# KiCad board choc-v2.kicad_pcb
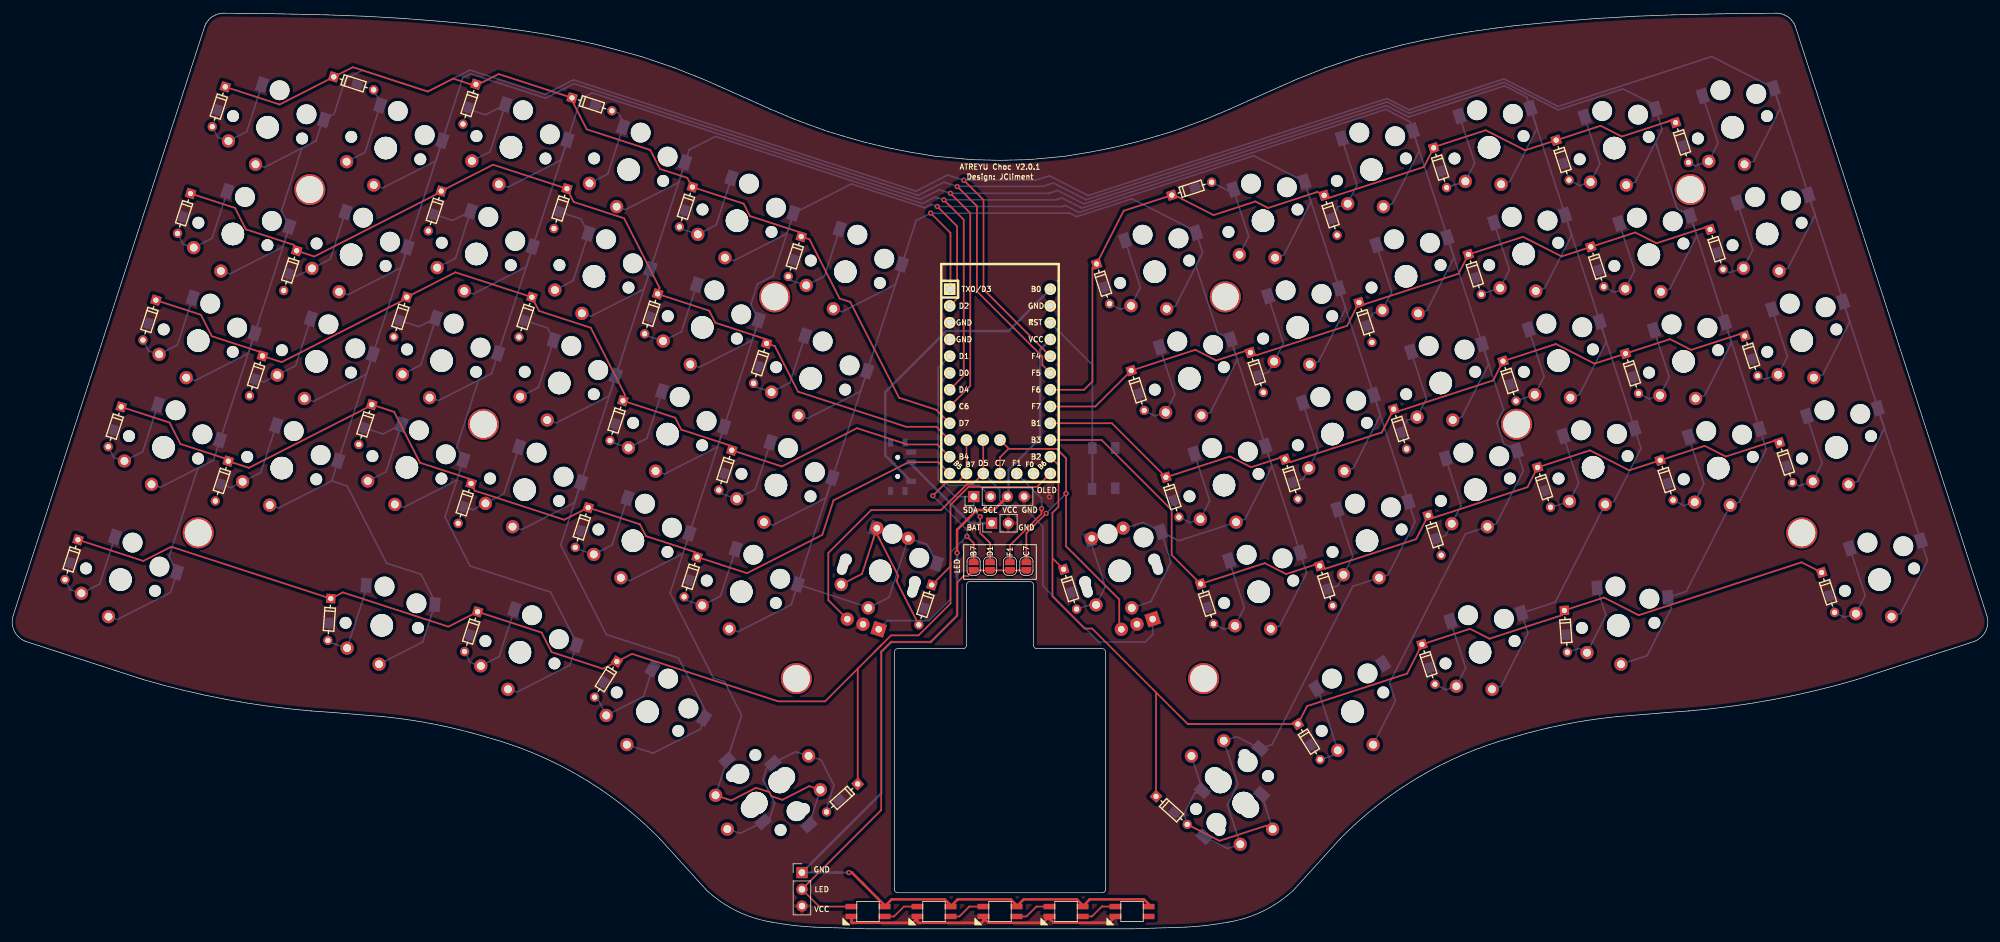
[diagram p0: board, top side]
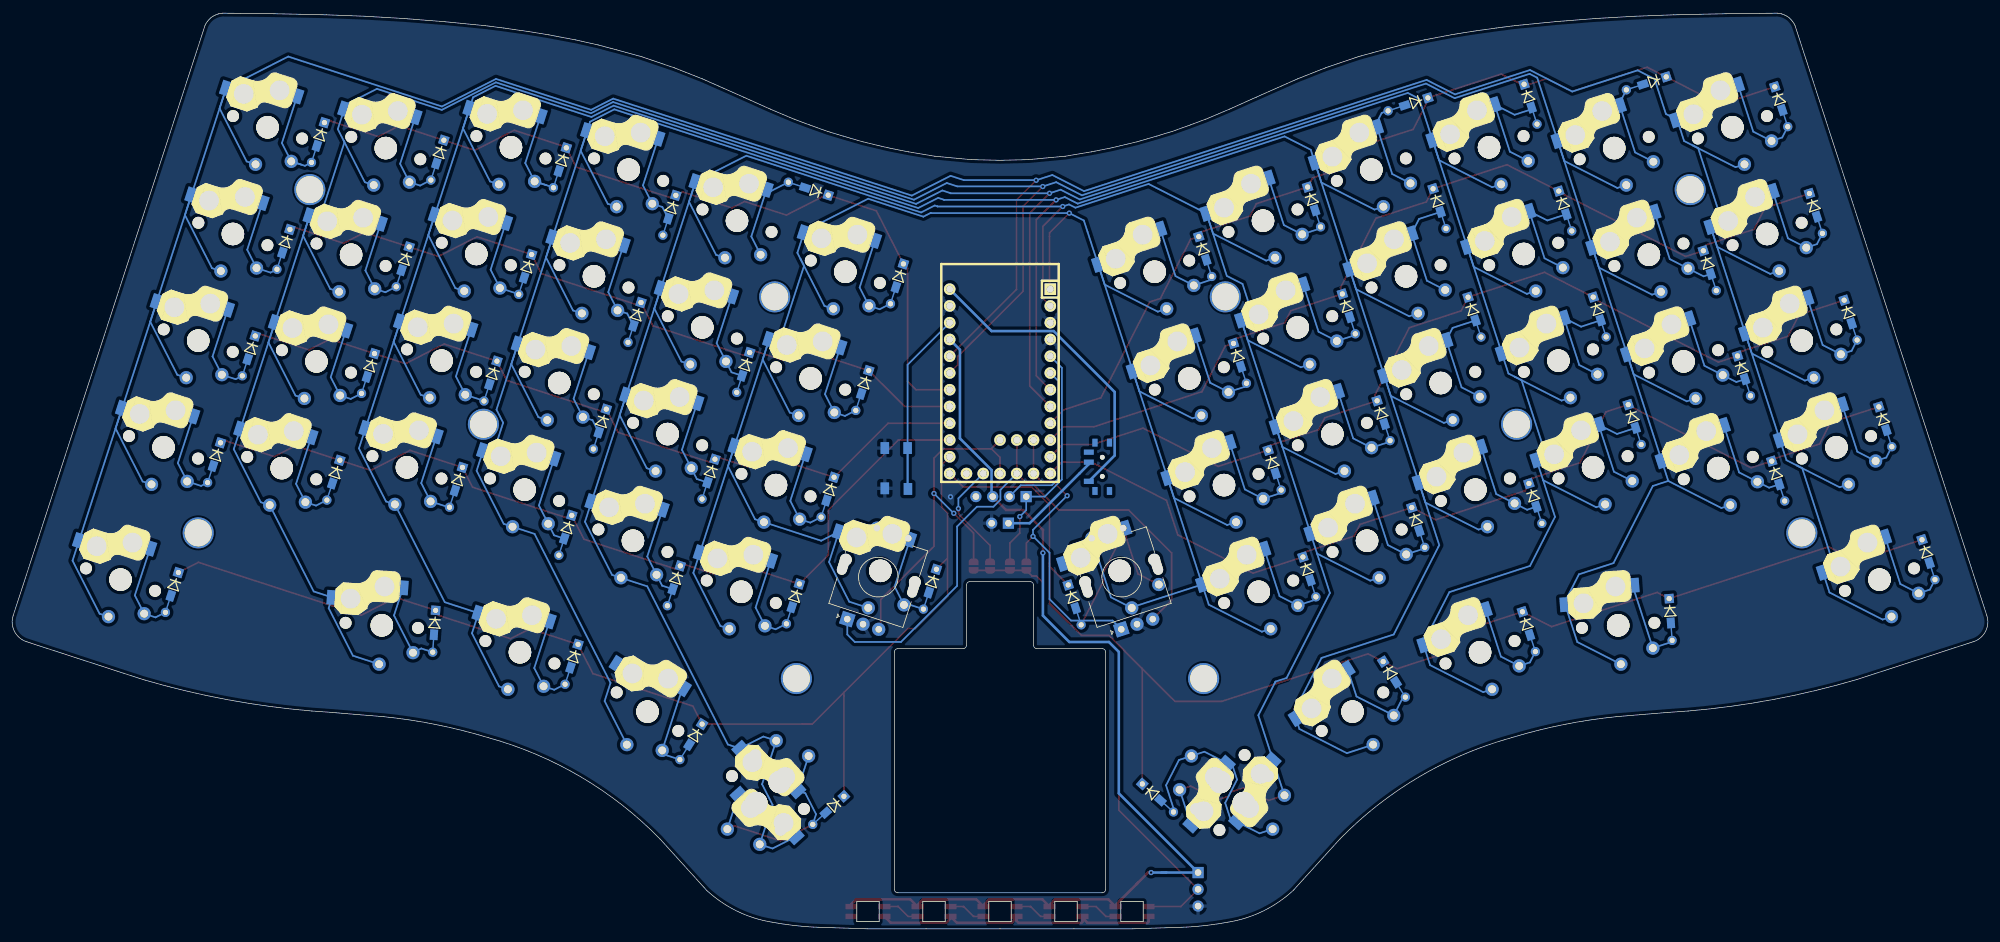
[diagram p1: board, bottom side, seen from below]

Outline 299.27 x 138.77 mm; copper layers: Top, Bottom. Coordinates in mm from the lower left corner of the outline.
Outline path: 0.16,47.49 7.24,69.29 29.2,136.89 29.36,137.19 29.56,137.5 29.81,137.8 30.07,138.06 30.42,138.31 30.83,138.51 31.24,138.67 31.85,138.77 34.54,138.75 39.49,138.69 47.62,138.52 53.46,138.31 59.42,137.96 65.5,137.48 71.71,136.87 74.49,136.52 78.16,136 81.19,135.51 85.35,134.72 88.76,133.96 91.52,133.22 95.3,132.2 100.32,130.49 104.58,128.81 107.08,127.7 110.83,126.04 114.83,124.24 118.46,122.71 120.72,121.86 123.48,120.87 125.87,120.15 128.88,119.27 132.66,118.37 135.82,117.75 139.73,117.1 145.27,116.58 149.63,116.47 154,116.58 159.54,117.1 163.45,117.75 166.61,118.37 170.38,119.27 173.4,120.15 175.79,120.87 178.55,121.86 180.81,122.71 184.44,124.24 188.44,126.04 192.19,127.7 194.69,128.81 198.95,130.49 203.97,132.2 207.74,133.22 210.51,133.96 213.92,134.72 218.08,135.51 221.11,136 224.78,136.52 227.56,136.87 233.77,137.48 239.85,137.96 245.81,138.31 251.65,138.52 259.78,138.69 264.73,138.75 267.42,138.77 268.03,138.67 268.44,138.51 268.85,138.31 269.2,138.06 269.46,137.8 269.71,137.5 269.91,137.19 270.07,136.89 292.03,69.29 299.11,47.49 arc(298.91,45.06) 297.04,43.5 279.43,37.78 arc(266.81,34.76) 253.96,33.02 250.79,32.79 243.04,32.15 arc(235.03,30.95) 227.17,28.98 arc(213.13,23.03) 201.13,13.61 194.07,5.83 arc(189.47,2.68) 184.16,1 arc(181.01,0.53) 177.83,0.25 169.7,0 149.63,0 129.57,0 121.44,0.25 arc(118.26,0.53) 115.11,1 arc(109.8,2.68) 105.2,5.83 98.14,13.61 arc(86.14,23.03) 72.1,28.98 arc(64.24,30.95) 56.23,32.15 48.48,32.79 45.3,33.02 arc(32.45,34.76) 19.84,37.78 2.23,43.5 arc(0.35,45.06) 0.16,47.49 ; 133.63,41.95 arc(133.78,42.31) 134.14,42.46 144.05,42.46 arc(144.41,42.61) 144.55,42.97 144.55,52.11 arc(144.7,52.47) 145.06,52.62 154.21,52.62 arc(154.57,52.47) 154.71,52.11 154.71,42.97 arc(154.86,42.61) 155.22,42.46 165.13,42.46 arc(165.49,42.31) 165.63,41.95 165.63,5.97 arc(165.49,5.61) 165.13,5.46 134.14,5.46 arc(133.78,5.61) 133.63,5.97 133.63,41.95
Stack: Top 0.035mm / dielectric 1.51mm FR4 er 4.5 / Bottom 0.035mm

## Placement (name value [footprint] x y rotation side)
D1  D_Small  [D3_hybrid_common_hole_connected_fix]  32.27 127.61 252 top
D2  D_Small  [D3_hybrid_common_hole_connected_fix]  48.72 129.11 342 top
D3  D_Small  [D3_hybrid_common_hole_connected_fix]  70.25 127.99 252 top
D4  D_Small  [D3_hybrid_common_hole_connected_fix]  84.81 125.93 342 top
D5  D_Small  [D3_hybrid_common_hole_connected_fix]  103.04 112.42 252 top
D6  D_Small  [D3_hybrid_common_hole_connected_fix]  119.53 104.91 252 top
D7  D_Small  [D3_hybrid_common_hole_connected_fix]  164.26 100.77 288 top
D8  D_Small  [D3_hybrid_common_hole_connected_fix]  175.66 111.19 18 top
D9  D_Small  [D3_hybrid_common_hole_connected_fix]  198.74 111.16 288 top
D10  D_Small  [D3_hybrid_common_hole_connected_fix]  215.33 118.37 288 top
D11  D_Small  [D3_hybrid_common_hole_connected_fix]  233.88 119.52 288 top
D12  D_Small  [D3_hybrid_common_hole_connected_fix]  251.97 122.19 288 top
D13  D_Small  [D3_hybrid_common_hole_connected_fix]  27.02 111.44 252 top
D14  D_Small  [D3_hybrid_common_hole_connected_fix]  43.09 102.77 252 top
D15  D_Small  [D3_hybrid_common_hole_connected_fix]  64.99 111.81 252 top
D16  D_Small  [D3_hybrid_common_hole_connected_fix]  84.03 112.17 252 top
D17  D_Small  [D3_hybrid_common_hole_connected_fix]  97.78 96.22 252 top
D18  D_Small  [D3_hybrid_common_hole_connected_fix]  114.27 88.72 252 top
D19  D_Small  [D3_hybrid_common_hole_connected_fix]  169.52 84.6 288 top
D20  D_Small  [D3_hybrid_common_hole_connected_fix]  187.55 87.34 288 top
D21  D_Small  [D3_hybrid_common_hole_connected_fix]  204.02 94.92 288 top
D22  D_Small  [D3_hybrid_common_hole_connected_fix]  220.58 102.2 288 top
D23  D_Small  [D3_hybrid_common_hole_connected_fix]  239.13 103.35 288 top
D24  D_Small  [D3_hybrid_common_hole_connected_fix]  257.2 105.99 288 top
D25  D_Small  [D3_hybrid_common_hole_connected_fix]  21.76 95.27 252 top
D26  D_Small  [D3_hybrid_common_hole_connected_fix]  37.91 86.82 252 top
D27  D_Small  [D3_hybrid_common_hole_connected_fix]  59.78 95.74 252 top
D28  D_Small  [D3_hybrid_common_hole_connected_fix]  78.73 95.73 252 top
D29  D_Small  [D3_hybrid_common_hole_connected_fix]  92.52 80.03 252 top
D30  D_Small  [D3_hybrid_common_hole_connected_fix]  109.01 72.54 252 top
D31  D_Small  [D3_hybrid_common_hole_connected_fix]  174.77 68.44 288 top
D32  D_Small  [D3_hybrid_common_hole_connected_fix]  192.81 71.17 288 top
D33  D_Small  [D3_hybrid_common_hole_connected_fix]  209.27 78.75 288 top
D34  D_Small  [D3_hybrid_common_hole_connected_fix]  225.83 86.03 288 top
D35  D_Small  [D3_hybrid_common_hole_connected_fix]  244.38 87.18 288 top
D36  D_Small  [D3_hybrid_common_hole_connected_fix]  262.44 89.85 288 top
D37  D_Small  [D3_hybrid_common_hole_connected_fix]  16.51 79.1 252 top
D38  D_Small  [D3_hybrid_common_hole_connected_fix]  32.73 70.88 252 top
D39  D_Small  [D3_hybrid_common_hole_connected_fix]  54.47 79.44 252 top
D40  D_Small  [D3_hybrid_common_hole_connected_fix]  69.52 67.49 252 top
D41  D_Small  [D3_hybrid_common_hole_connected_fix]  87.26 63.85 252 top
D42  D_Small  [D3_hybrid_common_hole_connected_fix]  103.75 56.35 252 top
D43  D_Small  [D3_hybrid_common_hole_connected_fix]  180.02 52.27 288 top
D44  D_Small  [D3_hybrid_common_hole_connected_fix]  198.06 55 288 top
D45  D_Small  [D3_hybrid_common_hole_connected_fix]  214.5 62.66 288 top
D46  D_Small  [D3_hybrid_common_hole_connected_fix]  231.06 69.93 288 top
D47  D_Small  [D3_hybrid_common_hole_connected_fix]  249.64 71.01 288 top
D48  D_Small  [D3_hybrid_common_hole_connected_fix]  267.7 73.66 288 top
D49  D_Small  [D3_hybrid_common_hole_connected_fix]  9.97 58.97 252 top
D50  D_Small  [D3_hybrid_common_hole_connected_fix]  48.27 50.05 266 top
D51  D_Small  [D3_hybrid_common_hole_connected_fix]  70.5 48.05 252 top
D52  D_Small  [D3_hybrid_common_hole_connected_fix]  91.59 40.5 238 top
D53  D_Small  [D3_hybrid_common_hole_connected_fix]  128.08 21.95 222 top
D54  D_Small  [D3_hybrid_common_hole_connected_fix]  139.3 52.11 252 top
D55  D_Small  [D3_hybrid_common_hole_connected_fix]  159.27 54.49 288 top
D56  D_Small  [D3_hybrid_common_hole_connected_fix]  173.28 20.07 318 top
D57  D_Small  [D3_hybrid_common_hole_connected_fix]  194.76 31.03 302 top
D58  D_Small  [D3_hybrid_common_hole_connected_fix]  213.55 43.1 288 top
D59  D_Small  [D3_hybrid_common_hole_connected_fix]  235.13 48.26 274 top
D60  D_Small  [D3_hybrid_common_hole_connected_fix]  274.09 54 288 top
D61  SK6812MINI  [YS-SK6812MINI-E]  129.63 2.62 0 top
D62  SK6812MINI  [YS-SK6812MINI-E]  139.63 2.62 0 top
D63  SK6812MINI  [YS-SK6812MINI-E]  149.63 2.62 0 top
D64  SK6812MINI  [YS-SK6812MINI-E]  159.63 2.62 0 top
D65  SK6812MINI  [YS-SK6812MINI-E]  169.63 2.62 0 top
J1  OLED  [PinHeader_1x04_P2.54mm_Vertical]  145.67 65.51 90 top
J2  Conn_01x02_Female  [PinHeader_1x02_P2.54mm_Vertical]  148.36 61.47 90 top
J3  Conn_01x03_Female  [PinHeader_1x03_P2.54mm_Vertical]  119.63 8.53 0 top
JP1  Jumper-Device  [SolderJumper-2_P1.3mm_Open_RoundedPad1.0x1.5mm]  145.63 54.97 270 top
JP2  Jumper-Device  [SolderJumper-2_P1.3mm_Open_RoundedPad1.0x1.5mm]  153.63 54.97 270 top
JP3  Jumper-Device  [SolderJumper-2_P1.3mm_Open_RoundedPad1.0x1.5mm]  148.13 54.97 270 top
JP4  Jumper-Device  [SolderJumper-2_P1.3mm_Open_RoundedPad1.0x1.5mm]  151.13 54.97 270 top
MX1  MX-NoLED  [Choc_Hotswap_Solder_18x17]  38.69 121.47 342 top
MX2  MX-NoLED  [Choc_Hotswap_Solder_18x17]  56.59 118.33 342 top
MX3  MX-NoLED  [Choc_Hotswap_Solder_18x17]  75.56 118.44 342 top
MX4  MX-NoLED  [Choc_Hotswap_Solder_18x17]  93.38 115.05 342 top
MX5  MX-NoLED  [Choc_Hotswap_Solder_18x17]  109.79 107.32 342 top
MX6  MX-NoLED  [Choc_Hotswap_Solder_18x17]  126.21 99.58 342 top
MX7  MX-NoLED  [Choc_Hotswap_Solder_18x17]  173.06 99.58 18 top
MX8  MX-NoLED  [Choc_Hotswap_Solder_18x17]  189.47 107.32 18 top
MX9  MX-NoLED  [Choc_Hotswap_Solder_18x17]  205.89 115.05 18 top
MX10  MX-NoLED  [Choc_Hotswap_Solder_18x17]  223.71 118.44 18 top
MX11  MX-NoLED  [Choc_Hotswap_Solder_18x17]  242.68 118.33 18 top
MX12  MX-NoLED  [Choc_Hotswap_Solder_18x17]  260.58 121.47 18 top
MX13  MX-NoLED  [Choc_Hotswap_Solder_18x17]  33.44 105.31 342 top
MX14  MX-NoLED  [Choc_Hotswap_Solder_18x17]  51.34 102.16 342 top
MX15  MX-NoLED  [Choc_Hotswap_Solder_18x17]  70.3 102.27 342 top
MX16  MX-NoLED  [Choc_Hotswap_Solder_18x17]  88.13 98.89 342 top
MX17  MX-NoLED  [Choc_Hotswap_Solder_18x17]  104.54 91.15 342 top
MX18  MX-NoLED  [Choc_Hotswap_Solder_18x17]  120.95 83.41 342 top
MX19  MX-NoLED  [Choc_Hotswap_Solder_18x17]  178.32 83.41 18 top
MX20  MX-NoLED  [Choc_Hotswap_Solder_18x17]  194.73 91.15 18 top
MX21  MX-NoLED  [Choc_Hotswap_Solder_18x17]  211.14 98.89 18 top
MX22  MX-NoLED  [Choc_Hotswap_Solder_18x17]  228.97 102.27 18 top
MX23  MX-NoLED  [Choc_Hotswap_Solder_18x17]  247.93 102.16 18 top
MX24  MX-NoLED  [Choc_Hotswap_Solder_18x17]  265.83 105.31 18 top
MX25  MX-NoLED  [Choc_Hotswap_Solder_18x17]  28.18 89.14 342 top
MX26  MX-NoLED  [Choc_Hotswap_Solder_18x17]  46.09 85.99 342 top
MX27  MX-NoLED  [Choc_Hotswap_Solder_18x17]  65.05 86.11 342 top
MX28  MX-NoLED  [Choc_Hotswap_Solder_18x17]  82.88 82.72 342 top
MX29  MX-NoLED  [Choc_Hotswap_Solder_18x17]  99.29 74.98 342 top
MX30  MX-NoLED  [Choc_Hotswap_Solder_18x17]  115.7 67.25 342 top
MX31  MX-NoLED  [Choc_Hotswap_Solder_18x17]  183.57 67.25 18 top
MX32  MX-NoLED  [Choc_Hotswap_Solder_18x17]  199.98 74.98 18 top
MX33  MX-NoLED  [Choc_Hotswap_Solder_18x17]  216.39 82.72 18 top
MX34  MX-NoLED  [Choc_Hotswap_Solder_18x17]  234.22 86.11 18 top
MX35  MX-NoLED  [Choc_Hotswap_Solder_18x17]  253.18 85.99 18 top
MX36  MX-NoLED  [Choc_Hotswap_Solder_18x17]  271.09 89.14 18 top
MX37  MX-NoLED  [Choc_Hotswap_Solder_18x17]  22.93 72.97 342 top
MX38  MX-NoLED  [Choc_Hotswap_Solder_18x17]  40.83 69.82 342 top
MX39  MX-NoLED  [Choc_Hotswap_Solder_18x17]  59.8 69.94 342 top
MX40  MX-NoLED  [Choc_Hotswap_Solder_18x17]  77.62 66.55 342 top
MX41  MX-NoLED  [Choc_Hotswap_Solder_18x17]  94.03 58.81 342 top
MX42  MX-NoLED  [Choc_Hotswap_Solder_18x17]  110.45 51.08 342 top
MX43  MX-NoLED  [Choc_Hotswap_Solder_18x17]  188.82 51.08 18 top
MX44  MX-NoLED  [Choc_Hotswap_Solder_18x17]  205.23 58.81 18 top
MX45  MX-NoLED  [Choc_Hotswap_Solder_18x17]  221.65 66.55 18 top
MX46  MX-NoLED  [Choc_Hotswap_Solder_18x17]  239.47 69.94 18 top
MX47  MX-NoLED  [Choc_Hotswap_Solder_18x17]  258.44 69.82 18 top
MX48  MX-NoLED  [Choc_Hotswap_Solder_18x17]  276.34 72.97 18 top
MX49  MX-NoLED  [Choc_Hotswap_Solder_18x17]  16.41 52.92 342 top
MX50  MX-NoLED  [Choc_Hotswap_Solder_18x17]  55.99 45.99 356 top
MX51  MX-NoLED  [Choc_Hotswap_Solder_18x17]  76.92 41.92 342 top
MX52  MX-NoLED  [Choc_Hotswap_Solder_18x17]  96.24 32.91 328 top
MX53  MX-NoLED  [Choc_Hotswap_Solder_18x17]  112.72 19.06 312 top
MX54  MX-NoLED  [Choc_Hotswap_Solder_18x17]  131.51 54.25 342 top
MX55  MX-NoLED  [Choc_Hotswap_Solder_18x17]  167.76 54.25 18 top
MX56  MX-NoLED  [Choc_Hotswap_Solder_18x17]  183.01 22.25 228 top
MX57  MX-NoLED  [Choc_Hotswap_Solder_18x17]  203.03 32.91 32 top
MX58  MX-NoLED  [Choc_Hotswap_Solder_18x17]  222.35 41.92 18 top
MX59  MX-NoLED  [Choc_Hotswap_Solder_18x17]  243.28 45.99 4 top
MX60  MX-NoLED  [Choc_Hotswap_Solder_18x17]  282.86 52.92 18 top
MX61  MX-NoLED  [Choc_Hotswap_Solder_18x17]  116.26 22.25 132 top
MX62  MX-NoLED  [Choc_Hotswap_Solder_18x17]  186.55 19.06 48 top
NOREF  -  [unnamed]  254.18 112.04 18 top
NOREF#2  -  [unnamed]  271.09 60.01 18 top
NOREF#3  -  [unnamed]  183.76 95.77 18 top
NOREF#4  -  [unnamed]  227.89 76.46 18 top
NOREF#5  -  [unnamed]  180.48 37.93 18 top
NOREF#6  -  [unnamed]  118.79 37.93 162 bottom
NOREF#7  -  [unnamed]  45.09 112.04 162 bottom
NOREF#8  -  [unnamed]  28.18 60.01 162 bottom
NOREF#9  -  [unnamed]  115.51 95.77 162 bottom
NOREF#10  -  [unnamed]  71.38 76.47 162 bottom
SW1  SW_Push  [PushSwitch]  165.38 69.76 270 bottom
SW2  RotaryEncoder_Switch  [RotaryEncoder_EC11]  131.2 53.3 72 bottom
SW3  RotaryEncoder_Switch  [RotaryEncoder_EC11]  168.07 53.3 108 bottom
SW6  SW_SPDT  [Switch_MSK-12C01-07]  134.14 70.02 270 top
U1  -  [Elite-C]  149.63 82.97 270 top

## Footprints (pads in the part's own frame, mm; a bottom-side part is the same pattern mirrored in y, then rotated)
Choc_Hotswap_Solder_18x17
  round 1.8 hole 1.8 unplated: (-5.5,0) (5.5,0)
  round 3 hole 3 unplated: (0,5.9) (5,3.7)
  round 3.4 hole 3.4 unplated: (0,0) (0,0)
  round 2 hole 1.2: 1(0,-5.9) 2(-5,-3.8)
  rect 1.6x2.2 smd far side: 1(7.8,3.7) 2(-2.8,5.9)
D3_hybrid_common_hole_connected_fix
  rect 1.4x1.4 hole 0.8: 1(0,0)
  rect 1.6x1.2 smd far side: 2(3.7,0)
  rect 1.6x0.2 smd far side: 2(5.15,0)
  round 1.4 hole 0.8: 2(6.35,0)
Elite-C
  rect 1.753x1.753 hole 1.092: 1(-13.97,-7.62)
  round 1.753 hole 1.092: 2(-11.43,-7.62) 3(-8.89,-7.62) 4(-6.35,-7.62) 5(-3.81,-7.62) 6(-1.27,-7.62) 7(1.27,-7.62) 8(3.81,-7.62) 9(6.35,-7.62) 10(8.89,-7.62) 11(11.43,-7.62) 12(13.97,-7.62) 13(13.97,7.62) 14(11.43,7.62) 15(8.89,7.62) 16(6.35,7.62) 17(3.81,7.62) 18(1.27,7.62) 19(-1.27,7.62) 20(-3.81,7.62) 21(-6.35,7.62) 22(-8.89,7.62) 23(-11.43,7.62) 24(-13.97,7.62) 25(13.97,-5.08) 26(13.97,-2.54) 27(13.97,0) 28(13.97,2.54) 29(13.97,5.08) 31(8.89,-5.08) 32(8.89,-2.54) 33(8.89,0)
PinHeader_1x02_P2.54mm_Vertical
  rect 1.7x1.7 hole 1: 1(0,0)
  oval 1.7x1.7 hole 1: 2(0,-2.54)
PinHeader_1x03_P2.54mm_Vertical
  rect 1.7x1.7 hole 1: 1(0,0)
  oval 1.7x1.7 hole 1: 2(0,-2.54) 3(0,-5.08)
PinHeader_1x04_P2.54mm_Vertical
  rect 1.7x1.7 hole 1: 1(0,0)
  oval 1.7x1.7 hole 1: 2(0,-2.54) 3(0,-5.08) 4(0,-7.62)
PushSwitch
  rect 1.8x1.3 smd: 1(-3.1,1.75) 1(3.1,1.8) 2(-3.1,-1.7) 2(3,-1.7)
RotaryEncoder_EC11
  oval 2.8x1.5 hole 2.8x1.5 unplated: (0,-5.6) (0,5.6)
  rect 2x2 hole 1: A(-7.5,2.5)
  round 2 hole 1: B(-7.5,-2.5) C(-7.5,0) S1(7,-2.5) S2(7,2.5)
SolderJumper-2_P1.3mm_Open_RoundedPad1.0x1.5mm
  custom 1x1.5 smd: 1(-0.65,0) 2(0.65,0)
Switch_MSK-12C01-07
  round 0.72 hole 0.72 unplated: (-1.45,0) (1.45,0)
  rect 0.8x1.5 smd far side: 1(2.2,2.04) 2(-0.7,2.04) 3(-2.22,2.04)
  rect 1.2x0.8 smd far side: 4(-3.66,1.11) 4(-3.66,-1.09) 4(3.66,1.11) 4(3.66,-1.09)
unnamed
  round 4.7 hole 4.1: (0,0)
YS-SK6812MINI-E
  rect 1.8x0.82 smd: 1(2.5,0.75) 2(2.5,-0.75) 3(-2.5,-0.75) 4(-2.5,0.75)

## Nets
GND: D61.3 D62.3 D63.3 D64.3 D65.3 J1.4 J2.2 J3.3 SW1.2 SW2.C SW3.C U1.3 U1.4 U1.23
VCC: D61.1 D62.1 D63.1 D64.1 D65.1 J1.3 J3.1 U1.21
BAT: J2.1 SW6.2
COL0: MX1.1 MX12.1 MX13.1 MX24.1 MX25.1 MX36.1 MX37.1 MX48.1 MX49.1 MX60.1 U1.20
COL1: MX2.1 MX11.1 MX14.1 MX23.1 MX26.1 MX35.1 MX38.1 MX47.1 MX50.1 MX59.1 U1.19
COL2: MX3.1 MX10.1 MX15.1 MX22.1 MX27.1 MX34.1 MX39.1 MX46.1 MX51.1 MX58.1 U1.8
COL3: MX4.1 MX9.1 MX16.1 MX21.1 MX28.1 MX33.1 MX40.1 MX45.1 MX52.1 MX57.1 U1.7
COL4: MX5.1 MX8.1 MX17.1 MX20.1 MX29.1 MX32.1 MX41.1 MX44.1 U1.2
COL4|Net-(D53-Pad2): MX53.1 MX53.2 MX61.1 MX61.2
COL4|Net-(D56-Pad2): MX56.1 MX56.2 MX62.1 MX62.2
COL5: MX6.1 MX7.1 MX18.1 MX19.1 MX30.1 MX31.1 MX42.1 MX43.1 MX54.1 MX55.1 SW2.S2 SW3.S2 U1.1
ENCA: JP1.1 SW2.A U1.25 U1.31
ENCB: SW2.B SW3.A U1.26 U1.32
ENCC: JP2.1 SW3.B U1.27 U1.33
F1: JP4.1 U1.28
LED: D61.4 J3.2 JP1.2 JP2.2 JP3.2 JP4.2
RAW: SW6.1 U1.24
ROW0: D1.1 D2.1 D3.1 D4.1 D5.1 D6.1 U1.9
ROW1: D13.1 D14.1 D15.1 D16.1 D17.1 D18.1 U1.10
ROW2: D25.1 D26.1 D27.1 D28.1 D29.1 D30.1 U1.11
ROW3: D37.1 D38.1 D39.1 D40.1 D41.1 D42.1 U1.12
ROW4: D49.1 D50.1 D51.1 D52.1 D53.1 D54.1 U1.13
ROW5: D55.1 D56.1 D57.1 D58.1 D59.1 D60.1 U1.14
ROW6: D43.1 D44.1 D45.1 D46.1 D47.1 D48.1 U1.15
ROW7: D31.1 D32.1 D33.1 D34.1 D35.1 D36.1 U1.16
ROW8: D19.1 D20.1 D21.1 D22.1 D23.1 D24.1 U1.17
ROW9: D7.1 D8.1 D9.1 D10.1 D11.1 D12.1 U1.18
RST: SW1.1 U1.22
SCL: J1.2 U1.6
SDA: J1.1 JP3.1 U1.5
SW54B: D54.2 MX54.2 SW2.S1
SW55B: D55.2 MX55.2 SW3.S1
Net-(D1-Pad2): D1.2 MX1.2
Net-(D2-Pad2): D2.2 MX2.2
Net-(D3-Pad2): D3.2 MX3.2
Net-(D4-Pad2): D4.2 MX4.2
Net-(D5-Pad2): D5.2 MX5.2
Net-(D6-Pad2): D6.2 MX6.2
Net-(D7-Pad2): D7.2 MX7.2
Net-(D8-Pad2): D8.2 MX8.2
Net-(D9-Pad2): D9.2 MX9.2
Net-(D10-Pad2): D10.2 MX10.2
Net-(D11-Pad2): D11.2 MX11.2
Net-(D12-Pad2): D12.2 MX12.2
Net-(D13-Pad2): D13.2 MX13.2
Net-(D14-Pad2): D14.2 MX14.2
Net-(D15-Pad2): D15.2 MX15.2
Net-(D16-Pad2): D16.2 MX16.2
Net-(D17-Pad2): D17.2 MX17.2
Net-(D18-Pad2): D18.2 MX18.2
Net-(D19-Pad2): D19.2 MX19.2
Net-(D20-Pad2): D20.2 MX20.2
Net-(D21-Pad2): D21.2 MX21.2
Net-(D22-Pad2): D22.2 MX22.2
Net-(D23-Pad2): D23.2 MX23.2
Net-(D24-Pad2): D24.2 MX24.2
Net-(D25-Pad2): D25.2 MX25.2
Net-(D26-Pad2): D26.2 MX26.2
Net-(D27-Pad2): D27.2 MX27.2
Net-(D28-Pad2): D28.2 MX28.2
Net-(D29-Pad2): D29.2 MX29.2
Net-(D30-Pad2): D30.2 MX30.2
Net-(D31-Pad2): D31.2 MX31.2
Net-(D32-Pad2): D32.2 MX32.2
Net-(D33-Pad2): D33.2 MX33.2
Net-(D34-Pad2): D34.2 MX34.2
Net-(D35-Pad2): D35.2 MX35.2
Net-(D36-Pad2): D36.2 MX36.2
Net-(D37-Pad2): D37.2 MX37.2
Net-(D38-Pad2): D38.2 MX38.2
Net-(D39-Pad2): D39.2 MX39.2
Net-(D40-Pad2): D40.2 MX40.2
Net-(D41-Pad2): D41.2 MX41.2
Net-(D42-Pad2): D42.2 MX42.2
Net-(D43-Pad2): D43.2 MX43.2
Net-(D44-Pad2): D44.2 MX44.2
Net-(D45-Pad2): D45.2 MX45.2
Net-(D46-Pad2): D46.2 MX46.2
Net-(D47-Pad2): D47.2 MX47.2
Net-(D48-Pad2): D48.2 MX48.2
Net-(D49-Pad2): D49.2 MX49.2
Net-(D50-Pad2): D50.2 MX50.2
Net-(D51-Pad2): D51.2 MX51.2
Net-(D52-Pad2): D52.2 MX52.2
Net-(D53-Pad2): D53.2
Net-(D56-Pad2): D56.2
Net-(D57-Pad2): D57.2 MX57.2
Net-(D58-Pad2): D58.2 MX58.2
Net-(D59-Pad2): D59.2 MX59.2
Net-(D60-Pad2): D60.2 MX60.2
Net-(D61-Pad2): D61.2 D62.4
Net-(D62-Pad2): D62.2 D63.4
Net-(D63-Pad2): D63.2 D64.4
Net-(D64-Pad2): D64.2 D65.4

Pads without a net: D65 2; SW6 3 4; U1 29

## Via types
v1: diameter 0.8, hole 0.4, Top to Bottom, 15 vias

## Routing (per net, layer and track width the routed paths; a pad name or vN(x,y) marks a point on that pad's centre or on a via; arc(x,y) is an arc through that point)
GND: length 45
  Top w0.381: D61.3 127.13,1.08 127.31,0.91 136.4,0.91 137.13,1.64 D62.3 137.13,1.08 137.31,0.91 146.81,0.91 147.13,1.23 D63.3 147.13,1.65 147.88,0.91 156.17,0.91 D64.3 157.13,1.55 157.76,0.93 166.19,0.93 D65.3
  Bottom w0.381: 119.63,3.47 J3.3
  vias: v1(157.13,65.47)
VCC: length 161.6
  Top w0.381: 129,6.72 132.13,3.59 D61.1 133.23,4.46 141.26,4.46 142.13,3.59 D62.1 143.23,4.46 151.26,4.46 152.13,3.59 D63.1 153.23,4.46 161.26,4.46 162.13,3.59 D64.1 163.23,4.46 171.45,4.46 172.13,3.78 D65.1 ; 129,6.72 128.72,7 ; 129,6.72 127.2,8.53 v1(126.75,8.53) ; v1(143.13,56.97) 143.13,60.47 146.13,63.47 148.71,63.47 J1.3
  Bottom w0.381: v1(143.13,56.97) 143.13,47.47 139.13,43.47 133.13,43.47 131.63,41.97 131.63,20.53 J3.1 124.46,8.53 ; J1.3 150.91,65.67 150.91,69.53 155.7,74.32 155.7,87.77 U1.21 ; 124.46,8.53 v1(126.75,8.53) ; 124.46,8.53 125.22,8.53
BAT: length 16.2
  Bottom w0.381: SW6.2 136.18,70.42 145.13,61.47 J2.1
COL0: length 543.6
  Top w0.25: v1(144.16,113.45) 147.13,110.47 147.13,96.9 U1.20
  Bottom w0.25: MX36.1 274.26,83.96 278.36,92.01 MX36.1 ; MX24.1 273.1,108.18 269,100.13 MX24.1 ; 28.93,70.22 30.5,71.02 MX37.1 MX13.1 ; 28.93,70.22 28.12,69.81 23.76,56.41 MX49.1 23.98,50.97 15.94,46.87 MX49.1 ; 28.93,70.22 22.45,66.92 MX37.1 ; MX13.1 40.79,108.79 43.88,118.32 44.69,118.73 ; MX13.1 41,103.36 32.96,99.26 MX13.1 ; MX48.1 289.13,58.85 MX60.1 290.13,55.79 286.03,47.75 MX60.1 ; MX48.1 283.61,75.84 279.51,67.8 MX48.1 ; MX48.1 MX12.1 ; 44.69,118.73 38.21,115.43 MX1.1 ; 44.69,118.73 46.01,119.4 47.06,122.62 48.76,123.49 50.49,128.81 53.04,130.11 62.95,126.89 69.35,130.15 80.71,126.47 85.01,128.66 136.9,111.8 141.7,114.24 v1(144.16,113.45) 144.18,113.47 155.11,113.47 157.11,114.12 162.99,111.13 208.22,125.82 211.56,124.12 225.97,128.8 234.16,124.63 257.45,132.2 MX12.1 ; MX25.1 35.75,87.19 27.7,83.09 MX25.1 ; MX12.1 263.75,116.3 267.85,124.35 MX12.1
COL1: length 514
  Top w0.25: U1.19 156.05,85.44 156.05,86.71 146.13,96.63 146.13,109.52 v1(143.16,112.5)
  Bottom w0.25: 48.4,67.88 40.35,63.78 MX38.1 ; 48.4,67.88 50.74,67.11 56.7,55.42 61.94,53.72 64.13,49.43 MX50.1 62.19,43.47 MX50.1 ; 48.4,67.88 MX38.1 MX2.1 ; MX23.1 252.22,109.1 248.93,119.22 249.05,119.44 ; MX23.1 255.2,105.03 251.1,96.99 MX23.1 ; MX23.1 MX47.1 265.7,72.7 261.6,64.65 MX47.1 253.6,51.13 MX59.1 251.33,48.6 247.66,41.39 MX59.1 ; MX11.1 245.84,113.15 249.05,119.44 ; MX2.1 64.16,116.38 56.11,112.28 MX2.1 ; MX2.1 68.26,128.99 69.41,129.58 80.76,125.89 85.11,128.1 137.22,111.17 141.12,113.16 v1(143.16,112.5) ; MX26.1 53.65,84.04 45.61,79.94 MX26.1 ; 248.75,124.89 244.01,127.3 234.19,124.11 226,128.29 211.59,123.6 208.25,125.31 162.67,110.5 157.69,113.03 156.11,112.52 143.18,112.52 ; 249.05,119.44 249.94,121.2 MX11.1 ; MX14.1 50.86,96.11 58.91,100.21 MX14.1 ; MX35.1 256.35,80.82 260.45,88.86 MX35.1
COL2: length 487.8
  Top w0.25: v1(142.13,111.47) 145.13,108.47 145.13,82.28 U1.8
  Bottom w0.25: MX58.1 225.52,36.74 229.62,44.79 MX58.1 233.74,49.51 MX46.1 242.64,64.76 246.74,72.81 MX46.1 MX10.1 ; MX34.1 237.39,80.93 241.49,88.98 MX34.1 ; MX51.1 76.44,35.87 84.49,39.97 MX51.1 85.54,43.22 81.57,51.02 69.35,54.99 65.56,62.43 67.36,67.99 ; 67.36,67.99 59.32,63.89 MX39.1 ; 67.36,67.99 MX39.1 67.35,73.03 70.63,83.15 71.67,83.68 ; MX22.1 232.13,97.1 236.23,105.15 MX22.1 ; MX15.1 77.87,100.33 69.82,96.23 MX15.1 ; MX3.1 MX27.1 72.62,84.16 71.67,83.68 ; MX3.1 86.15,125.81 87.86,126.68 137.54,110.54 140.45,112.02 v1(142.13,111.47) 157.11,111.47 157.13,111.5 158.37,111.9 162.35,109.87 208.16,124.75 211.53,123.04 226.04,127.76 229.45,126.02 MX10.1 ; MX3.1 83.12,116.49 75.08,112.39 MX3.1 ; 71.67,83.68 64.57,80.06 MX27.1 ; MX10.1 230.98,121.31 226.88,113.27 MX10.1
COL3: length 461.7
  Top w0.25: U1.7 144.13,83.82 144.13,107.47 v1(141.13,110.47)
  Bottom w0.25: MX16.1 87.65,92.84 95.7,96.94 MX16.1 ; MX40.1 85.19,64.6 77.14,60.5 MX40.1 ; MX40.1 83.09,58.15 90,44.61 100.93,41.05 105.12,32.84 MX52.1 104.29,30.29 97.08,26.62 MX52.1 ; MX40.1 MX4.1 ; MX33.1 219.56,77.54 223.66,85.59 MX33.1 ; MX9.1 209.06,109.88 213.16,117.93 MX9.1 ; MX9.1 225.91,78.68 224.89,76.7 225.94,73.49 MX45.1 228.92,69.42 224.82,61.38 220.14,59.86 208.63,37.27 209.52,34.52 MX57.1 ; MX9.1 211.73,122.32 208.06,124.19 162.03,109.24 159,110.78 158.13,110.5 158.11,110.47 v1(141.13,110.47) 139.81,110.9 137.87,109.91 106.52,120.09 102.56,118.07 MX4.1 ; MX4.1 100.95,113.11 92.9,109.01 MX4.1 ; MX21.1 214.31,93.71 218.41,101.76 MX21.1 ; MX28.1 82.4,76.67 90.44,80.77 MX28.1
COL4: length 437.8
  Top w0.25: U1.2 143.22,95.6 143.22,98.14 143.13,98.22 143.13,106.47 v1(140.13,109.47) ; 106.55,20.23 108.93,19.46 112.69,21.37 114.69,20.72 115.01,20.09 116.67,19.55 120.74,21.62 122.43,21.07
  Bottom w0.25: 108.06,37.15 107.9,37.46 ; 107.9,37.46 106.23,38.01 99.66,50.89 101.6,56.87 ; 107.9,37.46 110.5,32.37 108.29,25.57 106.56,20.24 106.55,20.23 ; 101.6,56.87 93.56,52.77 MX41.1 ; 101.6,56.87 MX41.1 MX17.1 ; MX17.1 104.06,85.1 112.11,89.2 MX17.1 ; MX8.1 192.64,102.14 196.74,110.19 MX8.1 ; MX17.1 111.89,94.64 112.9,97.74 115.28,98.95 MX5.1 ; MX8.1 188.05,117.17 161.59,108.57 159.52,109.62 159.13,109.5 159.11,109.47 v1(140.13,109.47) 139.18,109.78 138.21,109.29 127.12,112.89 MX5.1 ; MX8.1 212.5,61.69 208.4,53.64 203.07,51.91 190.86,27.93 189.02,27.33 185.48,29.14 183.53,28.51 185.68,21.91 184.08,18.79 186.03,12.8 184.08,12.17 180.54,13.98 ; MX29.1 98.81,68.93 106.86,73.03 MX29.1 ; MX32.1 207.25,77.85 203.15,69.81 MX32.1 ; 120.69,15.74 122.42,21.07 122.43,21.07 ; MX5.1 117.36,105.37 109.32,101.27 MX5.1 ; MX20.1 202,94.02 197.9,85.98 MX20.1
COL5: length 336.2
  Top w0.25: U1.1 142.13,97.06 142.13,105.47 v1(139.13,108.47)
  Bottom w0.25: MX42.1 118.02,49.13 109.97,45.03 MX42.1 ; MX42.1 129.64,48.73 MX54.1 132.83,50.24 SW2.S2 138.59,58.26 MX54.1 ; MX42.1 MX6.1 ; 168.32,60.63 171.26,61.59 MX55.1 ; MX6.1 133.78,97.63 125.73,93.53 MX6.1 ; MX6.1 136.38,105.64 136.93,107.35 v1(139.13,108.47) 160.11,108.47 160.13,108.5 161.24,107.93 169.6,110.65 179.27,105.72 180.33,102.45 179.86,101.53 ; MX19.1 181.48,78.24 185.58,86.29 MX19.1 ; 179.86,101.53 179.32,100.47 182.61,90.35 MX19.1 ; 179.86,101.53 176.23,94.41 MX7.1 ; MX18.1 120.48,77.37 128.52,81.47 MX18.1 ; MX30.1 123.27,65.3 115.22,61.2 MX30.1 ; MX43.1 191.99,45.9 196.09,53.95 MX43.1 MX19.1 ; MX55.1 175.53,55.57 172.48,49.58 MX55.1 ; MX55.1 176.71,58.81 MX31.1 186.74,62.07 190.84,70.12 MX31.1
ENCA: length 47
  Top w0.25: v1(144.63,59.47) 145.63,58.47 JP1.1 ; v1(139.47,65.64) 141.63,67.8 143.35,67.8 144.24,68.68 ; U1.25 U1.31
  Bottom w0.25: v1(139.47,65.64) 144.63,60.47 v1(144.63,59.47) 144.61,59.47 142.13,57 142.13,49.97 138.88,46.72 132.59,46.72 SW2.A
ENCB: length 89.8
  Top w0.25: SW2.B 123.63,49.81 123.63,56.97 130.13,63.47 140.72,63.47 144.67,67.42 145.51,67.42 U1.26 147.09,73.44 147.41,73.76
  Bottom w0.25: SW3.A 172.77,44.6 171.63,43.47 164.63,43.47 156.13,51.97 156.13,60.97 153.13,63.97 150.62,63.97 149.57,65.02 149.57,66.52 U1.26
ENCC: length 56.7
  Top w0.25: JP2.1 153.63,59.97 v1(156.63,62.97) ; 167.7,46.34 167.7,49.9 159.63,57.97 v1(159.63,65.97) ; v1(159.63,65.97) 159.63,71.33 158.22,72.74 150.97,72.74 150.94,72.77 ; v1(159.63,65.97) 159.73,65.97 ; 150.94,72.77 U1.33 ; 150.94,72.77 149.63,71.46 U1.27
  Bottom w0.25: v1(156.63,62.97) v1(159.63,65.97)
F1: length 16.9
  Top w0.25: v1(155.94,63.69) 155.94,63.3 155.91,63.27 155.91,62.88 151.13,58.11 JP4.1
  Bottom w0.25: v1(155.94,63.69) 155.94,65.24 U1.28
LED: length 79.6
  Top w0.25: JP2.2 JP4.2 JP3.2 JP1.2 144.78,53.47 144.13,53.47 143.13,52.47 143.13,47.47 139.13,43.47 133.13,43.47 131.63,41.97 131.63,17.99 120.78,7.13 J3.2 122.25,3.37 D61.4
RAW: length 46.6
  Bottom w0.381: SW6.1 132.26,71.74 132.26,81.36 141.49,90.59 150.9,90.59 U1.24
ROW0: length 138.2
  Top w0.25: U1.9 139.98,78.66 134.35,80.49 126.95,95 125.34,95.52 120.77,104.5 D6.1 119.16,105.61 111.77,108.02 110.81,109.89 D5.1 102.97,112.44 102.27,113.81 98.13,115.16 96.66,118.04 87.04,121.16 84.73,125.69 D4.1 73.69,129.55 70.17,127.75 66.79,128.85 62.95,126.89 51.6,130.58 D2.1 40.51,124.93 D1.1
ROW1: length 140
  Top w0.25: D13.1 33.75,109.25 35.41,106.01 42.64,103.66 D14.1 45.77,101.9 64.94,111.67 D15.1 72.83,115.8 D16.1 85.05,110.16 92.7,107.68 98.07,97.13 D17.1 105.58,93.68 106.51,91.85 113.89,89.45 D18.1 115.52,88.31 119.04,81.41 135.4,76.09 140,76.09 U1.10
ROW2: length 141.9
  Top w0.25: U1.11 140.15,73.41 135.58,73.41 127.97,75.88 116.58,70.08 D30.1 108.62,73.29 101.36,75.65 100.44,77.46 D29.1 92.81,80.95 87.64,91.1 79.79,93.65 D28.1 67.14,99.49 D27.1 59.7,95.51 40.81,85.88 D26.1 37.61,87.42 30.24,89.81 28.59,93.05 D25.1
ROW3: length 148.5
  Top w0.25: U1.12 140.3,70.72 135.75,70.72 124.41,64.94 122.71,59.71 111.3,53.9 D42.1 103.35,57.13 96.01,59.51 95.1,61.3 D41.1 83.63,62 70.07,66.4 D40.1 69.13,68.25 61.79,70.63 57.86,78.34 D39.1 54.44,79.33 35.85,69.86 D38.1 32.58,71.17 25.49,73.48 23.83,76.72 D37.1
ROW4: length 202
  Top w0.25: 131.63,42.97 130.63,41.97 ; 131.63,42.97 128.13,39.47 ; 131.63,42.97 133.13,44.47 137.3,44.47 142.13,49.31 142.13,55.41 ; D53.1 128.08,39.41 128.13,39.47 ; U1.13 155.22,66.97 144.86,66.97 142.13,64.25 142.13,55.41 ; 142.13,55.41 142.13,54.94 D54.1 ; 128.13,39.47 123.13,34.47 116.04,34.47 93.89,41.67 D52.1 89.47,39.42 81.71,41.94 80.2,44.9 D51.1 66.07,45.79 50.1,50.98 D50.1 24.09,57.9 19.86,55.75 D49.1
ROW5: length 175.6
  Top w0.25: U1.14 158.49,70.31 158.49,63.95 157.58,63.04 157.58,50.39 162.46,45.51 163.59,45.51 178.08,31.03 179.58,31.03 ; 178.1,31.03 179.58,31.03 ; 179.58,31.03 D57.1 196.15,33.75 211.3,38.67 D58.1 220.83,45.47 223.78,43.97 234.75,47.53 D59.1 241.12,50.21 246.38,47.53 271.05,55.55 D60.1 ; D55.1 157.63,56.13 ; 173.28,35.83 173.28,35.33 D56.1
ROW6: length 132.7
  Top w0.25: U1.15 165.02,74.08 175.63,63.47 175.63,56.66 D43.1 189.72,55.42 192.97,53.77 197.56,55.26 D44.1 198.9,54.57 212.66,59.04 D45.1 215.23,62.28 229.53,66.93 D46.1 239,72.51 244.93,69.48 D47.1 256.38,73.2 259.58,71.57 267.54,74.16
ROW7: length 117.7
  Top w0.25: U1.16 166.58,76.62 D31.1 184.47,71.59 187.66,69.96 192.26,71.45 D32.1 193.65,70.74 207.48,75.24 D33.1 209.91,78.43 224.35,83.12 D34.1 233.84,88.63 239.68,85.65 D35.1 251.12,89.37 254.32,87.74 262.29,90.33
ROW8: length 111.3
  Top w0.25: 257.04,106.5 249.07,103.91 245.87,105.54 D23.1 234.69,101.91 228.85,104.88 D22.1 219.1,99.29 204.66,94.6 D21.1 202.22,91.4 188.4,86.91 D20.1 186.98,87.63 182.39,86.14 179.22,87.75 D19.1 164.08,79.16 U1.17
ROW9: length 127.2
  Top w0.25: U1.18 162.36,81.7 163.63,82.97 163.63,100.14 D7.1 168.37,108.82 D8.1 175.9,111.27 181.98,108.17 188.32,110.23 190.24,109.25 197.72,111.68 D9.1 ; D9.1 199.47,110.79 213.85,115.46 D10.1 ; D9.1 198.13,111.47 ; 251.81,122.67 250.48,122.24 ; 250.48,122.24 251.33,122.52 D12.1 ; 250.48,122.24 243.82,120.08 240.62,121.71 D11.1 229.17,117.99 223.2,121.03 215.2,118.43
RST: length 33.3
  Bottom w0.25: SW1.1 163.63,66.71 SW1.1 ; U1.22 163.63,85.48 163.63,67.48 163.58,67.43
SCL: length 25.1
  Bottom w0.25: U1.6 140.71,82.94 140.71,68.28 141.77,67.22 146.49,67.22 J1.2
SDA: length 36.8
  Top w0.25: JP3.1 148.13,58.47 146.63,59.97 v1(146.63,62.47)
  Bottom w0.25: v1(146.63,62.47) 145.67,63.44 J1.1 142.85,65.51 140.26,68.1 140.26,85.03 U1.5
SW54B: length 28.2
  Top w0.25: D54.2 133.97,52.69 134.23,53.49 131.43,58.98 ; 131.43,58.98 131.22,59.38 ; 131.43,58.98 130.81,60.19 SW2.S1 130.45,59.09 ; 130.45,59.09 128.73,53.79 MX54.2 ; 130.45,59.09 130.61,59.58
SW55B: length 13.7
  Bottom w0.25: D55.2 163.8,49.28 MX55.2 165.59,51.86 MX55.2
Net-(D1-Pad2): length 14.1
  Bottom w0.25: MX1.2 35.53,120.82 MX1.2 31.14,119.93 D1.2
Net-(D2-Pad2): length 13.2
  Bottom w0.25: MX2.2 53.44,117.67 MX2.2 55.83,125.05 D2.2
Net-(D3-Pad2): length 16.8
  Bottom w0.25: 69.03,124.23 71.68,123.37 MX3.2 72.4,117.79 MX3.2
Net-(D4-Pad2): length 14
  Bottom w0.25: D4.2 91.81,123.66 92.68,121.96 MX4.2 90.22,114.4 MX4.2
Net-(D5-Pad2): length 13.7
  Bottom w0.25: MX5.2 106.64,106.66 MX5.2 101.21,106.11 D5.2
Net-(D6-Pad2): length 13.8
  Bottom w0.25: MX6.2 123.05,98.93 MX6.2 117.85,98.3 D6.2
Net-(D7-Pad2): length 14.1
  Bottom w0.25: D7.2 167.86,93.9 MX7.2 170.89,97.19 MX7.2
Net-(D8-Pad2): length 14.3
  Bottom w0.25: D8.2 184.28,111.83 MX8.2 187.31,104.93 MX8.2
Net-(D9-Pad2): length 14.2
  Bottom w0.25: MX9.2 203.72,112.67 MX9.2 200.78,109.4 D9.2
Net-(D10-Pad2): length 15.5
  Bottom w0.25: D10.2 217.31,112.37 MX10.2 ; MX10.2 221.54,116.06 MX10.2 ; MX10.2 218.32,112.7
Net-(D11-Pad2): length 14.1
  Bottom w0.25: MX11.2 240.51,115.94 MX11.2 237.48,112.64 D11.2
Net-(D12-Pad2): length 15.6
  Bottom w0.25: MX12.2 258.41,119.09 MX12.2 ; MX12.2 254.93,115.64 D12.2 ; MX12.2 255.41,115.8
Net-(D13-Pad2): length 14.1
  Bottom w0.25: MX13.2 30.28,104.65 MX13.2 25.89,103.76 D13.2
Net-(D14-Pad2): length 14.4
  Bottom w0.25: MX14.2 48.18,101.5 MX14.2 43.05,98.89 D14.2
Net-(D15-Pad2): length 16.7
  Bottom w0.25: D15.2 66.72,107.36 MX15.2 67.15,101.62 MX15.2
Net-(D16-Pad2): length 16.5
  Bottom w0.25: D16.2 86.16,107.58 MX16.2 84.97,98.23 MX16.2
Net-(D17-Pad2): length 13.7
  Bottom w0.25: MX17.2 101.38,90.49 MX17.2 95.93,89.95 D17.2
Net-(D18-Pad2): length 13.8
  Bottom w0.25: MX18.2 117.8,82.76 MX18.2 112.58,82.14 D18.2
Net-(D19-Pad2): length 14.1
  Bottom w0.25: MX19.2 176.15,81.03 MX19.2 173.12,77.73 D19.2
Net-(D20-Pad2): length 14.2
  Bottom w0.25: MX20.2 192.56,88.76 MX20.2 190.31,84.34 D20.2
Net-(D21-Pad2): length 14.2
  Bottom w0.25: D21.2 206.1,93.25 MX21.2 208.97,96.5 MX21.2
Net-(D22-Pad2): length 13.6
  Bottom w0.25: MX22.2 226.8,99.89 MX22.2 222.56,96.2 D22.2
Net-(D23-Pad2): length 14.1
  Bottom w0.25: D23.2 242.73,96.48 MX23.2 245.76,99.77 MX23.2
Net-(D24-Pad2): length 13.9
  Bottom w0.25: MX24.2 263.67,102.92 MX24.2 260.13,99.46 D24.2
Net-(D25-Pad2): length 14.1
  Bottom w0.25: D25.2 20.64,87.6 MX25.2 25.02,88.48 MX25.2
Net-(D26-Pad2): length 14.3
  Bottom w0.25: D26.2 38.1,82.87 MX26.2 42.93,85.34 MX26.2
Net-(D27-Pad2): length 16.7
  Bottom w0.25: MX27.2 61.89,85.45 MX27.2 61.61,91.26 D27.2
Net-(D28-Pad2): length 16.4
  Bottom w0.25: MX28.2 79.72,82.06 MX28.2 81.08,91.07 D28.2
Net-(D29-Pad2): length 13.7
  Bottom w0.25: MX29.2 96.13,74.33 MX29.2 90.66,73.79 D29.2
Net-(D30-Pad2): length 13.8
  Bottom w0.25: MX30.2 112.54,66.59 MX30.2 107.31,65.98 D30.2
Net-(D31-Pad2): length 14.1
  Bottom w0.25: MX31.2 181.4,64.86 MX31.2 178.37,61.56 D31.2
Net-(D32-Pad2): length 14.2
  Bottom w0.25: MX32.2 197.81,72.6 MX32.2 195.56,68.18 D32.2
Net-(D33-Pad2): length 14.2
  Bottom w0.25: MX33.2 214.23,80.33 MX33.2 211.36,77.09 D33.2
Net-(D34-Pad2): length 13.6
  Bottom w0.25: D34.2 227.82,80.03 MX34.2 232.05,83.72 MX34.2
Net-(D35-Pad2): length 14.1
  Bottom w0.25: D35.2 247.99,80.31 MX35.2 251.01,83.6 MX35.2
Net-(D36-Pad2): length 13.9
  Bottom w0.25: D36.2 265.41,83.3 MX36.2 268.92,86.75 MX36.2
Net-(D37-Pad2): length 14.1
  Bottom w0.25: MX37.2 19.77,72.31 MX37.2 15.38,71.43 D37.2
Net-(D38-Pad2): length 14.2
  Bottom w0.25: D38.2 33.14,66.86 MX38.2 37.68,69.17 MX38.2
Net-(D39-Pad2): length 16.7
  Bottom w0.25: MX39.2 56.64,69.28 MX39.2 56.17,75 D39.2
Net-(D40-Pad2): length 14.2
  Bottom w0.25: MX40.2 74.46,65.89 MX40.2 69.79,63.51 D40.2
Net-(D41-Pad2): length 13.7
  Bottom w0.25: D41.2 85.39,57.63 MX41.2 90.88,58.16 MX41.2
Net-(D42-Pad2): length 13.8
  Bottom w0.25: MX42.2 107.29,50.42 MX42.2 102.04,49.81 D42.2
Net-(D43-Pad2): length 14.1
  Bottom w0.25: D43.2 183.62,45.39 MX43.2 186.65,48.69 MX43.2
Net-(D44-Pad2): length 14.2
  Bottom w0.25: MX44.2 203.07,56.43 MX44.2 200.81,52.01 D44.2
Net-(D45-Pad2): length 14.2
  Bottom w0.25: MX45.2 219.48,64.16 MX45.2 217.17,59.64 D45.2
Net-(D46-Pad2): length 13.6
  Bottom w0.25: MX46.2 237.3,67.55 MX46.2 233.08,63.87 D46.2
Net-(D47-Pad2): length 14.1
  Bottom w0.25: D47.2 253.24,64.14 MX47.2 256.27,67.44 MX47.2
Net-(D48-Pad2): length 13.9
  Bottom w0.25: MX48.2 274.17,70.58 MX48.2 270.65,67.12 D48.2
Net-(D49-Pad2): length 14.1
  Bottom w0.25: MX49.2 13.26,52.26 MX49.2 8.78,51.41 D49.2
Net-(D50-Pad2): length 13.2
  Bottom w0.25: MX50.2 53.75,51.8 MX50.2 47.96,43.45 D50.2
Net-(D51-Pad2): length 14.1
  Bottom w0.25: MX51.2 73.76,41.26 MX51.2 69.37,40.37 D51.2
Net-(D52-Pad2): length 14.1
  Bottom w0.25: D52.2 88.64,34.98 MX52.2 95.63,35.22 MX52.2
Net-(D53-Pad2): length 33.3
  Bottom w0.25: 108.33,15.11 110.31,14.47 113.75,16.22 114.76,16.74 115.52,19.08 113.73,22.61 114.39,24.66 115.23,25.09 118.66,26.84 120.64,26.2 122.53,25.58 124.48,21.75 123.24,17.93 D53.2 ; 123.24,17.6 123.29,17.76
Net-(D56-Pad2): length 34.2
  Top w0.25: D56.2 182.88,13.34 189.93,15.63 190.94,15.11
  Bottom w0.25: 190.94,15.11 189.24,20.33 189.27,20.38 190.09,17.85 ; D56.2 177.5,17.37 179.12,20.55 180.29,20.93 180.32,20.98 178.63,26.2
Net-(D57-Pad2): length 13.2
  Bottom w0.25: MX57.2 197.8,36.3 MX57.2 200.48,26.41 D57.2
Net-(D58-Pad2): length 14.1
  Bottom w0.25: D58.2 217.15,36.23 MX58.2 220.18,39.53 MX58.2
Net-(D59-Pad2): length 14
  Bottom w0.25: D59.2 237.3,42.49 MX59.2 241.43,47.5 MX59.2
Net-(D60-Pad2): length 14.1
  Bottom w0.25: MX60.2 280.69,50.53 MX60.2 277.54,47.2 D60.2
Net-(D61-Pad2): length 5.6
  Top w0.25: D62.4 135.08,3.37 133.58,1.87 D61.2
Net-(D62-Pad2): length 5.6
  Top w0.25: D63.4 145.01,3.37 145,3.38 143.48,1.87 D62.2
Net-(D63-Pad2): length 5.6
  Top w0.25: D63.2 153.64,1.87 155.16,3.38 155.17,3.37 D64.4
Net-(D64-Pad2): length 5.6
  Top w0.25: D64.2 163.55,1.87 165.06,3.38 165.07,3.37 D65.4

## Copper pours and planes (outline as drawn; the poured copper is in the pictures)
GND on Top, Bottom: 313.15,39.23 244.1,18.59 191.71,-4.43 112.33,-4.43 67.88,21.77 -12.28,36.85 23.43,149.56 69.47,146.39 102.02,137.66 122.65,128.92 148.85,124.96 182.98,131.31 204.41,140.04 231.4,145.59 274.26,147.97

## Text on the board
User.Comments: 14 | -14 | 60
F.Silkscreen: OLED | GND | LED | VCC | SDA | BAT | SCL | Design: JCliment | ATREYU Choc V2.0.1 | B7 | D1 | F1 | C7
